# Altium PCB RFSOC_SAWG.PcbDoc (part 11 of 15) (continued)
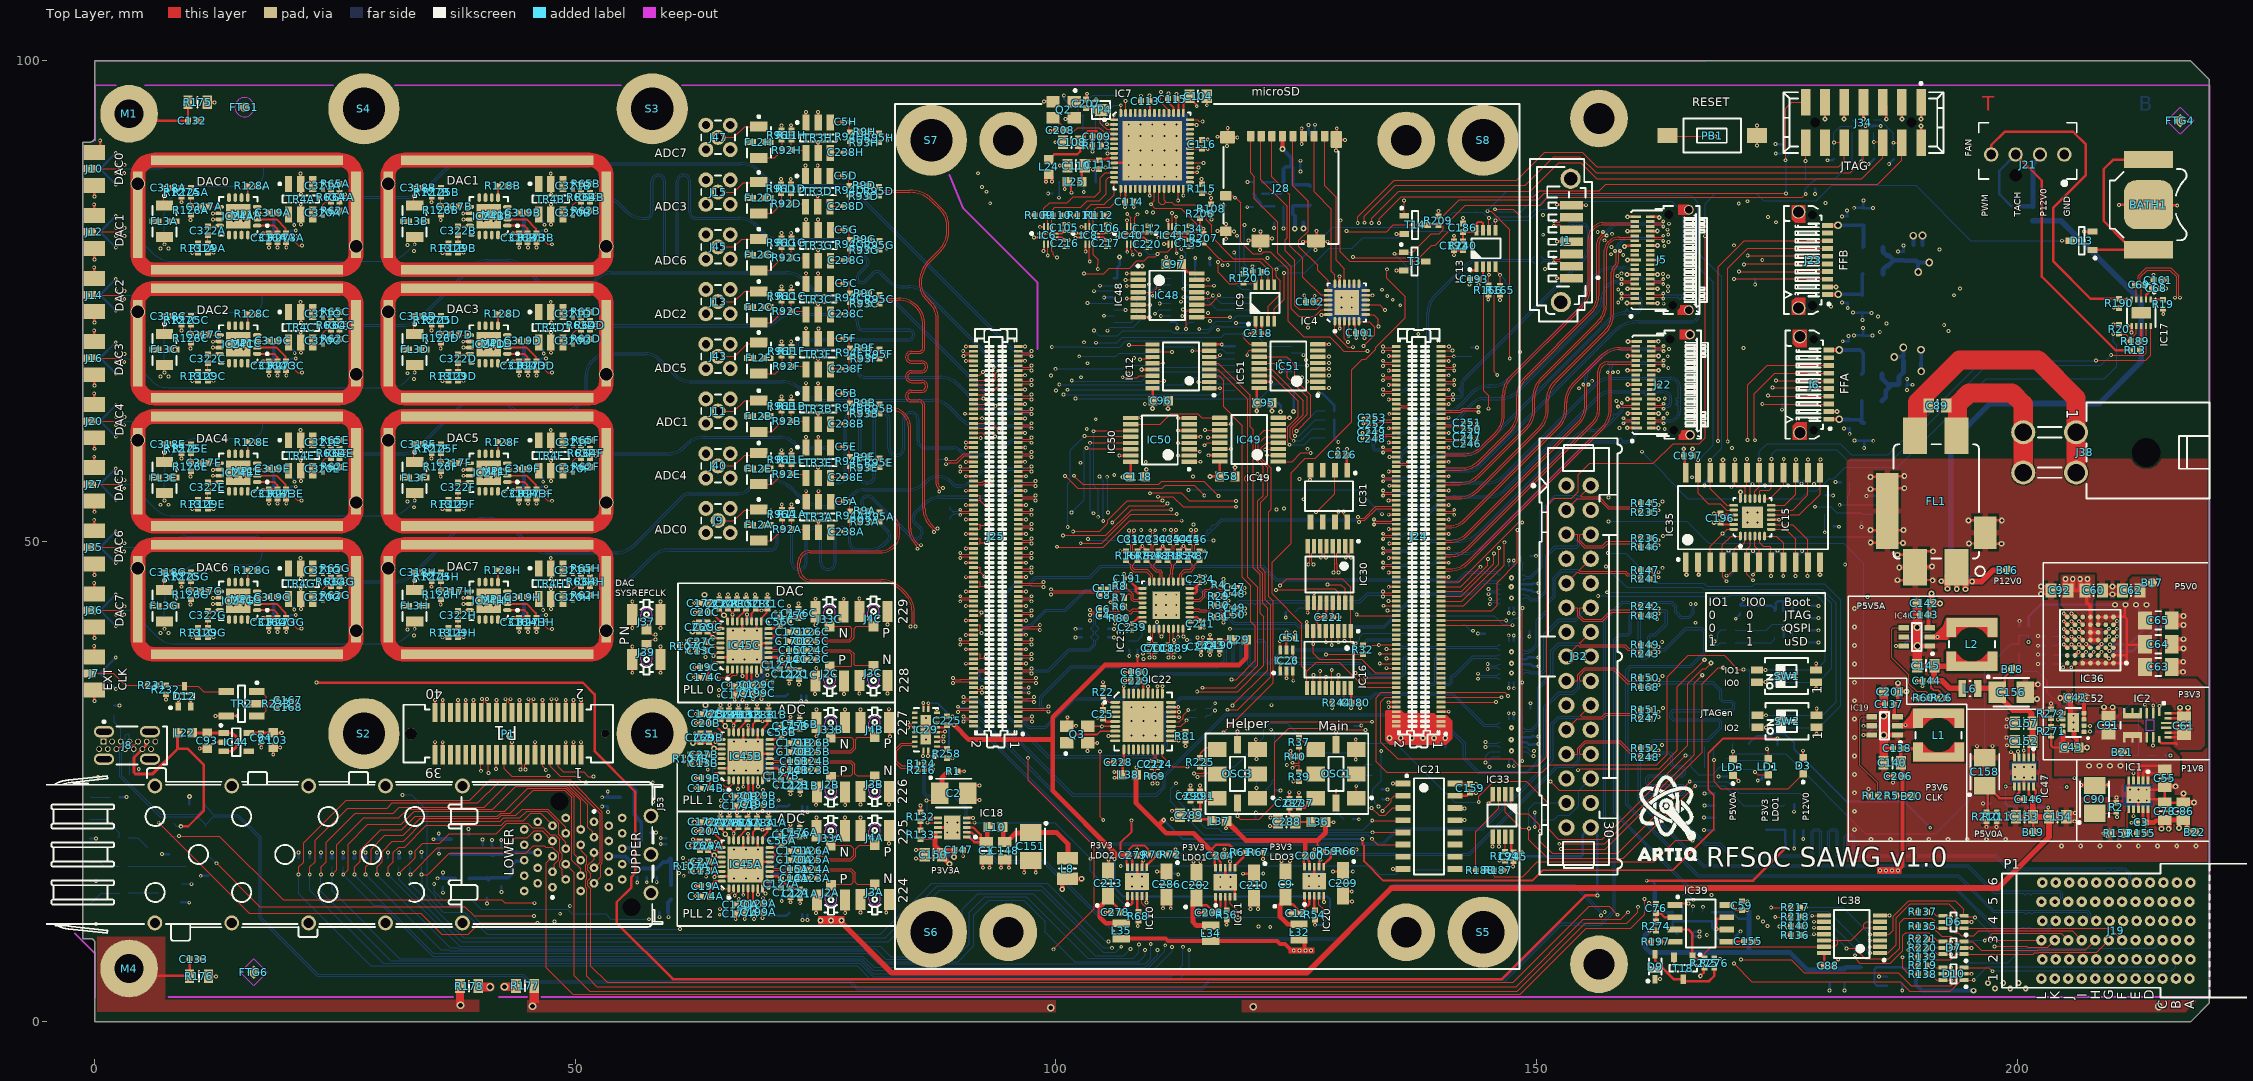
[diagram p0: Top Layer view]
## Nets (pads, with @x,y where several pads share a name; then routed paths per layer and width w, separated by ;. In a path a pad name is that pad's centre, name@x,y a point inside that pad or via, vN(x,y) a via of type N, cw(c..) or ccw(c..) an arc to the next point about the centre after c; other vN are vias at no path point) (continued)
  Mid-Layer 6 w0.127: v1(193.4,7.7) 193.875,7.225 197.059,7.225 v1(197.675,7.84)
NetD7_6: D7.6 J19.J3 R220.2 | length 16.2
  Top Layer w0.127: R220.2@190.645,7.712 191.051,7.712 191.709,7.055 192.295,7.055 192.325,7.025 v1(193.125,7.025) ; v1(196.645,8.479) 196.941,8.775 196.95,8.775 197.416,9.241 204.598,9.241 J19.J3@205.338,8.5
  Bottom Layer w0.127: v1(193.125,7.025) 193.15,7.025 193.699,7.025 195.154,8.479 v1(196.645,8.479)
NetD9_1: D9.1 R219.1 | length 29.1
  Top Layer w0.127: D9.1@162.35,4.45 v1(162.85,4.45) ; v1(188.836,6.783) 188.865,6.754 188.865,6.259 189.238,5.887 R219.1@189.705,5.887
  Mid-Layer 3 w0.127: v1(162.85,4.45) 162.911,4.45 163.061,4.3 169.775,4.3 170.589,5.114 187.168,5.114 v1(188.836,6.783)
NetD10_4: D10.4 J19.H2 R219.2 | length 18.2
  Top Layer w0.127: R219.2@190.645,5.887 191.33,5.887 191.567,5.65 D10.4@192.3,5.65 v1(193.125,5.65)
  Mid-Layer 3 w0.127: v1(193.125,5.65) 193.15,5.675 197.766,5.675 197.935,5.506 207.244,5.506 J19.H2@208.238,6.5
NetD10_6: D10.6 J19.K2 R138.2 | length 15.2
  Top Layer w0.127: R138.2@190.645,4.975 190.646,4.974 191.051,4.974 191.675,4.35 D10.6@192.3,4.35 192.325,4.325 v1(193.175,4.325)
  Bottom Layer w0.127: v1(193.175,4.325) 195.025,6.175 199.05,6.175 200.175,7.3 203.238,7.3 J19.K2@204.038,6.5
NetFL2A_3: FL2A.3 R92A.1 R96A.1 | length 4.3
  Top Layer w0.1: FL2A.3@68.9,50.075 70.377,50.075 71.32,51.018 71.34,51.018 71.567,51.244 R92A.1@71.567,51.264 71.567,52.28 R96A.1@71.491,52.356
NetFL2B_3: FL2B.3 R92B.1 R96B.1 | length 4.2
  Top Layer w0.1: FL2B.3@68.9,61.4 70.459,61.4 71.541,62.482 R92B.1@71.541,62.502 71.541,63.518 R96B.1@71.465,63.594
NetFL2C_3: FL2C.3 R92C.1 R96C.1 | length 4.3
  Top Layer w0.1: FL2C.3@68.825,72.75 70.379,72.75 71.541,73.912 R92C.1@71.541,73.932 71.541,74.948 R96C.1@71.465,75.024
NetFL2D_3: FL2D.3 R92D.1 R96D.1 | length 4
  Top Layer w0.1: FL2D.3@69.004,84.114 70.489,84.114 71.492,85.118 R92D.1@71.492,85.138 71.492,86.154 R96D.1@71.416,86.23
NetFL2E_3: FL2E.3 R92E.1 R96E.1 | length 4.1
  Top Layer w0.1: FL2E.3@68.898,55.95 70.5,55.95 71.53,56.98 R92E.1@71.53,57 71.53,57.941 R96E.1@71.465,58.006
NetFL2F_3: FL2F.3 R92F.1 R96F.1 | length 3.8
  Top Layer w0.1: FL2F.3@69.168,67.451 70.795,67.451 71.541,68.197 R92F.1@71.541,68.217 71.541,69.233 R96F.1@71.465,69.309
NetFL2G_3: FL2G.3 R92G.1 R96G.1 | length 4.1
  Top Layer w0.1: FL2G.3@69.15,78.2 70.241,78.2 71.541,79.5 R92G.1@71.541,79.52 71.541,80.536 R96G.1@71.465,80.612
NetFL2H_3: FL2H.3 R92H.1 R96H.1 | length 3.9
  Top Layer w0.1: FL2H.3@69.089,89.907 70.742,89.907 71.53,90.695 R92H.1@71.53,90.715 71.53,91.731 R96H.1@71.454,91.807
NetIC1_6: IC1.6 R153.2 R155.1 | length 3.8
  Top Layer w0.127: R153.2@211.275,19.625 R153.2@211.3,19.65 ; IC1.6@211.625,22.125 211.625,21.875 211.538,21.788 211.524,21.788 211.45,21.714 211.45,19.8 R153.2@211.3,19.65 ; R155.1@212.455,19.65 R153.2@211.3,19.65
NetIC2_3: IC2.3 R268.1 R269.2 | length 7.5
  Top Layer w0.127: v1@213.298,33.023 213.52,32.8 IC2.3@213.52,32.1
  Bottom Layer w0.127: R268.1@211.767,27.721 R269.2@212.647,27.721 212.647,32.372 v1(213.3,33.025)
NetIC5_5: IC5.5 IC53.3 R230.2 | length 4.5
  Bottom Layer w0.127: R230.2@170.67,39.425 170.718,39.473 IC5.5@172.901,39.473 174.409,39.473 174.776,39.841 IC53.3@174.776,40.066
NetIC5_6: IC5.6 IC53.1 R174.2 | length 7.4
  Bottom Layer w0.127: R174.2@170.671,40.778 170.706,40.743 IC5.6@172.901,40.743 173.918,40.743 174.553,41.378 176.272,41.378 176.676,40.974 IC53.1@176.676,40.066
NetIC6_2: IC6.2 IC8.2 R108.1 T3.3 | length 47.9
  Top Layer w0.127: R108.1@116.15,84.13 116.175,84.105 v1(116.175,83.475) ; v1(129.6,83.4) 129.6,80.108 130.588,79.12 T3.3@138.475,79.12
  Top Layer w0.2: v1(97.713,81.6) 97.738,81.625 IC6.2@98.475,81.625 ; v1(102.05,81.575) 102.104,81.575 102.154,81.625 IC8.2@102.783,81.625
  Mid-Layer 3 w0.127: v1(97.713,81.6) 97.787,81.6 97.928,81.74 101.487,81.74 101.652,81.575 v1(102.05,81.575) 105.298,81.575 105.548,81.825 106.037,81.825 106.212,82 107.3,82 108.625,83.325 110.275,83.325 110.615,82.985 111.762,82.985 112.018,83.24 115.94,83.24 v1(116.175,83.475) 116.212,83.437 129.563,83.437 v1(129.6,83.4)
NetIC7_1: IC7.1 IC37.1 R204.1 | length 11.8
  Top Layer w0.127: v1(106.025,94.375) 106.025,93.9 IC7.1@106.055,93.87
  Bottom Layer w0.127: R204.1@100.35,94.305 100.32,94.275 IC37.1@100.32,92.775 100.32,91.68 100.95,91.05 104.9,91.05 106.025,92.175 v1(106.025,94.375)
NetIC7_6: IC7.6 R113.2 | length 1.4
  Top Layer w0.127: R113.2@104.73,91.17 104.93,91.37 IC7.6@106.055,91.37
NetIC7_22: IC7.22 IC9.6 R207.1 | length 19
  Top Layer w0.127: v1@109.9,85.075 110.255,85.43 IC7.22@110.255,86.67 ; v1(109.902,85.073) 110.3,84.675 112.975,84.675 114.7,82.95 114.7,81.72 115.128,81.291 115.128,81.271 115.355,81.045 115.395,81.045 115.621,80.818 115.621,80.798 116.97,79.45 117.039,79.45 117.341,79.147 121.192,79.147 122.075,78.264 IC9.6@122.075,76.7
NetIC7_23: IC7.23 IC7.24 IC9.5 R206.1 | length 20.6
  Top Layer w0.127: IC7.23@110.755,86.67 110.728,86.643 110.728,85.275 110.928,85.075 111.239,85.075 111.426,85.262 111.5,85.262 ; IC7.24@111.255,86.67 111.255,85.507 111.463,85.299 111.5,85.262 ; IC9.5@122.725,76.7 122.725,77.05 122.55,77.225 122.55,78.384 121.53,79.404 119.729,79.404 118.469,79.404 117.875,79.998 117.875,80 116.208,81.667 116.208,82.889 115.649,83.448 115.649,83.97 115.276,84.343 115.127,84.343 114.927,84.543 114.927,84.623 114.754,84.796 114.55,85 112.324,85 112.062,85.262 111.5,85.262
NetIC7_28: IC7.28 IC9.8 R120.2 | length 18.3
  Top Layer w0.127: v1@113.255,85.868 IC7.28@113.255,86.67 ; v1(116.877,79.06) 116.877,77.998 118.056,76.819 118.731,76.819 118.816,76.905 R120.2@119.525,76.905 120.639,76.905 120.775,76.769 IC9.8@120.775,76.7
  Mid-Layer 6 w0.127: v1(113.257,85.968) 112.67,85.968 112.568,85.866 112.563,85.866 112.334,85.637 112.334,85.632 111.21,84.507 111.21,83.118 113.5,80.827 113.5,79.916 114.357,79.06 v1(116.877,79.06)
NetIC7_32: IC7.32 IC40.9 | length 12.4
  Top Layer w0.127: v1(107.425,84.05) 107.792,83.683 IC40.9@107.792,82.725 ; IC7.32@113.955,88.87 113.975,88.89 114.809,88.89 v1(114.83,88.911)
  Mid-Layer 6 w0.127: v1(107.425,84.05) 107.425,84.473 107.65,84.698 107.65,85.35 109.175,86.875 112.45,86.875 114.486,88.911 v1(114.83,88.911)
NetIC7_33: IC7.33 IC40.8 | length 14.1
  Top Layer w0.127: IC40.8@108.192,82.725 108.192,83.717 v1(108.5,84.025) ; IC7.33@113.955,89.37 113.957,89.373 115.348,89.373 v1(115.35,89.375)
  Mid-Layer 6 w0.127: v1(108.5,84.025) 108.5,85.4 109.7,86.6 114.741,86.6 115.452,87.311 115.554,87.413 115.554,89.137 115.35,89.341 v1(115.35,89.375)
NetIC7_42: IC7.42 IC41.9 | length 15.3
  Top Layer w0.127: v1(112.087,84.16) 112.094,84.153 112.094,82.731 IC41.9@112.1,82.725 ; IC7.42@113.955,93.87 114.739,93.87 114.884,93.725 115.25,93.725 v1(115.275,93.7)
  Mid-Layer 6 w0.127: v1(112.087,84.16) 112.753,84.825 114.092,84.825 116.25,86.983 116.25,92.725 v1(115.275,93.7)
NetIC7_46: IC7.46 IC41.8 | length 28.5
  Top Layer w0.127: v1(110.925,96.75) 110.925,95.675 111.755,94.845 IC7.46@111.755,94.57 ; IC41.8@112.5,82.725 v1(112.5,83.769)
  Mid-Layer 3 w0.127: v1(110.925,96.75) 110.925,96.075 109.45,94.6 107.1,94.6 104.589,92.089 104.589,87.536 106.275,85.85 106.275,83.325 106.711,82.889 107.441,82.889 108.187,83.635 108.662,83.635 108.822,83.795 111.896,83.795 111.922,83.769 v1(112.5,83.769)
NetIC7_55: IC7.55 IC37.3 R205.2 | length 10.1
  Top Layer w0.127: v1(107.25,95.8) 107.253,95.797 107.253,94.573 IC7.55@107.255,94.57
  Bottom Layer w0.127: IC37.3@102.86,92.775 102.86,94.27 R205.2@102.925,94.335 102.465,94.335 102.325,94.475 102.325,95.65 102.675,96 103.425,96 103.825,96.4 106.65,96.4 v1(107.25,95.8)
NetIC7_56: IC7.56 IC37.2 R203.1 | length 11.8
  Top Layer w0.127: IC7.56@106.755,94.57 v1(106.755,95.372)
  Bottom Layer w0.127: R203.1@101.6,94.355 101.59,94.345 IC37.2@101.59,92.775 101.59,91.599 101.664,91.525 104.63,91.525 104.91,91.805 104.91,94.26 106.022,95.372 v1(106.755,95.372)
NetIC9_7: IC9.7 R116.2 | length 1.4
  Top Layer w0.127: R116.2@121.42,78.05 121.425,78.045 IC9.7@121.425,76.7
NetIC10_3: IC10.3 R68.2 | length 1.7
  Top Layer w0.254: IC10.3@108.45,13.1 108.45,11.595 R68.2@108.575,11.47
NetIC10_6: IC10.6 R70.1 R72.1 | length 2.8
  Top Layer w0.254: IC10.6@109.45,16.1 109.45,16.35 109.473,16.373 109.538,16.373 109.96,16.795 110.545,17.38 R70.1@110.545,17.4 R72.1@111.505,17.4
NetIC11_3: IC11.3 R56.2 | length 1.5
  Top Layer w0.254: IC11.3@117.625,13.025 117.648,13.002 117.648,11.722 R56.2@117.775,11.595
NetIC11_6: IC11.6 R61.1 R67.1 | length 3
  Top Layer w0.255: IC11.6@118.625,16.025 118.625,16.275 119.558,17.208 119.558,17.488 R61.1@119.72,17.65 R67.1@120.63,17.65
NetIC12_9: IC12.9 IC43.14 | length 24.8
  Top Layer w0.127: v1(107.6,70.425) 110,70.425 IC12.9@110.05,70.475
  Mid-Layer 3 w0.127: v1(107.57,67.47) 107.605,67.435 114.516,67.435 114.922,67.028 v1(125.606,67.028)
  Mid-Layer 6 w0.127: v1(107.57,67.47) 107.585,67.485 107.585,70.41 v1(107.6,70.425)
  Bottom Layer w0.127: IC43.14@124.5,67.025 124.503,67.028 v1(125.606,67.028)
NetIC16_15: IC16.15 R244.2 | length 1.7
  Top Layer w0.093: R244.2@129.7,33.2 129.7,33.22 130.025,33.545 IC16.15@130.025,34.75
NetIC17_8: IC17.8 R13.1 R189.1 | length 2.6
  Top Layer w0.254: R13.1@212.77,69.875 R189.1@212.77,70.825 212.925,70.98 IC17.8@212.925,72.4
NetIC18_6: IC18.6 R132.2 R133.1 | length 2.9
  Top Layer w0.2: R133.1@85.925,19.945 R132.2@85.925,20.88 85.945,20.88 86.135,21.07 86.135,21.09 86.27,21.225 IC18.6@87.725,21.225
NetIC19_4: IC19.4 R5.1 R12.2 | length 11
  Top Layer w0.127: IC19.4@184.865,31.76 183.91,31.76 183.65,31.5 183.65,26.72 185.495,24.875 R12.2@185.495,23.55 R5.1@186.48,23.55
NetIC20_3: IC20.3 R54.2 | length 1.6
  Top Layer w0.254: IC20.3@126.875,13.125 126.898,13.102 126.898,11.647 R54.2@126.95,11.595
NetIC20_6: IC20.6 R59.1 R66.2 | length 3
  Top Layer w0.254: IC20.6@127.875,16.125 127.875,16.375 128.607,17.107 128.607,17.587 R59.1@128.77,17.75 R66.2@129.755,17.75
NetIC22_1: IC22.1 R22.2 | length 1.5
  Top Layer w0.127: R22.2@104.929,33.814 104.949,33.814 105.175,33.588 105.175,33.568 105.493,33.25 IC22.1@106.175,33.25
NetIC22_6: IC22.6 Q3.3 TP28.1 | length 4.3
  Top Layer w0.16: Q3.3@103.322,30.76 103.332,30.75 IC22.6@106.175,30.75
  Bottom Layer w0.16: TP28.1@103.332,30.75 104.275,30.75 104.281,30.744 v1(104.779,30.744)
NetIC22_7: IC22.7 Q3.1 | length 5.5
  Top Layer w0.16: Q3.1@101.122,29.06 101.222,29.06 102.062,29.9 104.293,29.9 104.643,30.25 IC22.7@106.175,30.25
NetIC22_18: IC22.18 T2.1 | length 81.6
  Top Layer w0.127: IC22.18@111.075,28.35 111.075,27.625 112.15,26.55 v1(113.7,26.55) ; v1(143.993,22.873) 143.993,23.462 145.556,25.025 148.95,25.025 151.225,22.75 151.225,20.075 152.275,19.025 156.825,19.025 v1(165.525,27.725)
  Bottom Layer w0.127: v1(113.7,26.55) 118.602,26.55 121.65,29.598 121.65,30.45 122.25,31.05 124.05,31.05 127.091,28.009 130.909,28.009 131.901,29 135.375,29 141.502,22.873 v1(143.993,22.873) ; v1(165.525,27.725) 165.925,27.725 166.1,27.55 166.1,26.5 166.9,25.7 168.325,25.7 169.15,26.525 170.125,26.525 170.84,27.24 T2.1@173.963,27.24
NetIC22_21: IC22.21 R81.2 | length 1.5
  Top Layer w0.127: IC22.21@111.975,30.25 113.437,30.25 R81.2@113.486,30.202
NetIC22_22: IC22.22 R86.2 | length 3
  Top Layer w0.093: IC22.22@111.975,30.75 113,30.75 113.601,31.351 v1(113.601,31.376)
  Bottom Layer w0.093: v1(113.601,31.376) 113.9,31.675 R86.2@114.594,31.675
NetIC22_23: IC22.23 R84.2 | length 3.4
  Top Layer w0.093: IC22.23@111.975,31.25 112.875,31.25 112.951,31.327 112.955,31.327 113.225,31.597 113.225,31.9 v1(113.775,32.45)
  Bottom Layer w0.093: v1(113.775,32.45) 114.397,32.45 R84.2@114.594,32.648
NetIC23_8: IC23.8 R27.2 | length 1.5
  Top Layer w0.127: IC23.8@113.225,40.9 113.245,40.88 113.245,40.129 v1(113.265,40.11)
  Bottom Layer w0.127: v1(113.265,40.11) 113.265,40.631 R27.2@113.39,40.757
NetIC24A_5: IC24A.5 R128A.2 | length 1.2
  Top Layer w0.2: IC24A.5@15.914,85.768 15.917,85.771 15.917,86.99 R128A.2@15.92,86.993
NetIC24B_5: IC24B.5 R128B.2 | length 1.2
  Top Layer w0.2: IC24B.5@41.949,85.768 41.952,85.771 41.952,86.99 R128B.2@41.955,86.993
NetIC24C_5: IC24C.5 R128C.2 | length 1.2
  Top Layer w0.2: IC24C.5@15.914,72.433 15.917,72.436 15.917,73.655 R128C.2@15.92,73.658
NetIC24D_5: IC24D.5 R128D.2 | length 1.2
  Top Layer w0.2: IC24D.5@41.949,72.433 41.952,72.436 41.952,73.655 R128D.2@41.955,73.658
NetIC24E_5: IC24E.5 R128E.2 | length 1.2
  Top Layer w0.2: IC24E.5@15.914,59.098 15.917,59.101 15.917,60.32 R128E.2@15.92,60.323
NetIC24F_5: IC24F.5 R128F.2 | length 1.2
  Top Layer w0.2: IC24F.5@41.949,59.098 41.952,59.101 41.952,60.32 R128F.2@41.955,60.323
NetIC24G_5: IC24G.5 R128G.2 | length 1.2
  Top Layer w0.2: IC24G.5@15.914,45.763 15.917,45.766 15.917,46.985 R128G.2@15.92,46.988
NetIC24H_5: IC24H.5 R128H.2 | length 1.2
  Top Layer w0.2: IC24H.5@41.949,45.763 41.952,45.766 41.952,46.985 R128H.2@41.955,46.988
NetIC27_2: IC27.2 R255.1 | length 1.5
  Bottom Layer w0.127: R255.1@148.43,48.5 148.43,47.87 148.55,47.75 148.55,47.036 IC27.2@148.528,47.014
NetIC28_2: IC28.2 R256.1 | length 1.6
  Bottom Layer w0.127: R256.1@148.33,40.7 148.33,40.095 148.5,39.925 148.5,39.244 IC28.2@148.528,39.216
NetIC29_2: IC29.2 R258.1 | length 1.1
  Top Layer w0.127: IC29.2@87.625,28.65 87.656,28.619 88.44,28.619 R258.1@88.667,28.393
NetIC32_9: IC32.9 IC34.14 | length 11.5
  Mid-Layer 3 w0.127: v1(109.677,76.75) 109.967,76.46 110.942,76.46 111.127,76.275 v1(113.25,76.275)
  Bottom Layer w0.127: IC32.9@106.025,72.802 107.827,72.802 108.425,73.4 108.425,75.498 v1(109.677,76.75) ; v1(113.25,76.275) 113.475,76.05 114.398,76.05 IC34.14@114.4,76.052
NetIC32_14: IC32.14 IC43.9 | length 28.4
  Mid-Layer 6 w0.127: v1(103.975,71.925) v1(103.975,76.025)
  Bottom Layer w0.127: v1(103.975,71.925) 104.5,71.4 106.425,71.4 106.95,71.925 111.95,71.925 112.19,71.684 115.848,71.684 116.57,72.406 117.012,72.406 117.083,72.335 119.93,72.335 121.986,70.278 123.197,70.278 124.497,70.278 IC43.9@124.5,70.275 ; v1(103.975,76.025) 104.002,76.052 IC32.14@106.025,76.052
NetIC33_3: IC33.3 LD4.1 R188.1 | length 169.5
  Top Layer w0.127: v1(143.024,15.812) 143.061,15.775 R188.1@143.68,15.775 143.68,19.805 146.1,22.225 IC33.3@146.1,23.675
  Mid-Layer 6 w0.127: v1(0.332,25.479) 3.386,22.425 30.75,22.425 v1@32.05,23.725 ; v1(60.875,9.65) 61.575,8.95 81.925,8.95 85.85,12.875 103.4,12.875 104.45,13.925 v1(106.75,16.225)
  Bottom Layer w0.127: LD4.1@-0.5,25.5 0.311,25.5 v1(0.332,25.479) ; v1(32.014,23.623) 32.952,23.623 34.575,22 34.575,13.966 35.475,13.066 35.475,12.775 36.225,12.025 38.425,12.025 40.8,9.65 v1(60.875,9.65) ; v1(106.75,16.225) 132.775,16.225 133.65,15.35 135.375,15.35 135.837,15.812 v1(143.024,15.812)
NetIC33_7: IC33.7 R194.2 | length 1.6
  Top Layer w0.127: R194.2@146.725,17.695 146.75,17.72 IC33.7@146.75,19.275
NetIC34_9: IC34.9 IC48.10 | length 4.3
  Top Layer w0.127: v1(113.55,72.075) 113.55,73.898 113.616,73.963 113.616,73.975 IC48.10@114.65,73.975
  Bottom Layer w0.127: v1(113.55,72.075) 113.565,72.09 113.565,72.465 113.714,72.614 113.714,72.64 113.875,72.802 IC34.9@114.4,72.802
NetIC36_C2: IC36.C2 NT1.1 R182.1 | length 9.4
  Top Layer w0.254: IC36.C2@209.237,38.929 209.587,38.579 v1(209.612,38.579)
  Bottom Layer w0.254: v1(209.612,38.579) 212.054,38.579 214.6,41.125 216.2,41.125 216.18,41.144 216.18,42.13 216.275,42.225 R182.1@216.371,42.129
NetIC36_D1: IC36.D1 IC36.F1 | length 3
  Top Layer w0.254: IC36.D1@210.037,39.729 210.387,40.079 v1(210.387,40.104) ; IC36.F1@210.037,41.329 210.387,41.679 v1(210.387,41.704)
  Bottom Layer w0.127: v1(210.387,40.104) 210.777,40.494 210.777,41.313 v1(210.387,41.704)
NetIC36_D2: IC36.D2 R181.2 | length 7.8
  Top Layer w0.254: IC36.D2@209.237,39.729 209.587,40.079 v1(209.587,40.104)
  Bottom Layer w0.127: R181.2@203.77,38.2 205.911,38.2 206.086,38.025 207.26,38.025 207.587,38.351 207.587,38.656 207.844,38.913 208.948,38.913 209.196,39.161 209.196,39.713 v1(209.587,40.104)
NetIC36_E1: IC36.E1 R183.2 | length 7.9
  Top Layer w0.254: IC36.E1@210.037,40.529 210.387,40.879 v1(210.387,40.904)
  Bottom Layer w0.127: R183.2@203.77,39.15 203.796,39.176 204.207,39.176 204.719,39.688 206.623,39.688 206.679,39.744 208.069,39.744 208.838,40.513 209.996,40.513 v1(210.387,40.904)
NetIC37_4: IC37.4 R119.1 R205.1 | length 3.3
  Bottom Layer w0.127: R205.1@102.925,95.275 103.041,95.159 103.351,95.159 103.873,94.637 103.948,94.637 R119.1@104.175,94.41 104.13,94.365 IC37.4@104.13,92.775
NetIC39_4: IC39.4 R197.1 | length 1.5
  Top Layer w0.254: R197.1@162.87,8.35 162.873,8.348 164.397,8.348 IC39.4@164.4,8.345
NetIC42_2: IC42.2 R143.1 | length 1.6
  Bottom Layer w0.127: R143.1@148.46,32.6 148.46,31.94 148.575,31.825 148.575,31.157 IC42.2@148.528,31.109
NetIC45A_22: IC45A.22 R15A.1 | length 1.7
  Top Layer w0.2: IC45A.22@66.975,18.894 66.975,19.196 67.098,19.319 67.098,19.325 67.69,19.917 67.69,20.049 67.748,20.107 R15A.1@67.88,20.107
NetIC45A_26: IC45A.26 R214A.2 | length 1.6
  Top Layer w0.2: v1@64.554,17.878 64.682,17.878 64.794,17.767 64.8,17.767 64.923,17.644 IC45A.26@65.225,17.644
  Bottom Layer w0.2: v1@64.554,17.878 64.58,17.905 65.305,17.905 R214A.2@65.331,17.931
  other v1: 64.479,17.978
NetIC45B_22: IC45B.22 R15B.1 | length 1.7
  Top Layer w0.2: IC45B.22@66.975,30.135 66.975,30.437 67.098,30.56 67.098,30.566 67.69,31.158 67.69,31.29 67.748,31.348 R15B.1@67.88,31.348
NetIC45B_26: IC45B.26 R214B.2 | length 1.6
  Top Layer w0.2: v1(64.554,29.119) 64.592,29.081 64.727,29.081 64.923,28.885 IC45B.26@65.225,28.885
  Bottom Layer w0.2: v1(64.554,29.119) 64.58,29.146 65.305,29.146 R214B.2@65.331,29.172
NetIC45C_22: IC45C.22 R15C.1 | length 1.7
  Top Layer w0.2: IC45C.22@66.847,41.668 66.847,41.97 66.97,42.093 66.97,42.099 67.562,42.691 67.562,42.823 67.619,42.881 R15C.1@67.752,42.881
NetIC45C_26: IC45C.26 R214C.2 | length 1.5
  Top Layer w0.2: v1(64.425,40.652) 64.464,40.614 64.598,40.614 64.795,40.418 IC45C.26@65.097,40.418
  Bottom Layer w0.2: v1(64.425,40.652) 64.464,40.691 65.004,40.691 R214C.2@65.136,40.822
NetIC46_4: IC46.4 R26.1 R60.2 | length 11.5
  Top Layer w0.127: IC46.4@188.218,41 187.15,41 186.985,40.835 186.985,37.865 188.754,36.096 188.754,35.196 189.547,34.403 190.498,34.403 190.745,34.156 R60.2@190.745,33.7 R26.1@191.675,33.7
NetIC47_6: IC47.6 R212.2 R213.1 | length 4
  Top Layer w0.127: v1(198.825,24.486) 199.711,24.486 IC47.6@199.725,24.5
  Bottom Layer w0.127: R212.2@198.8,22.736 198.825,22.761 v1(198.825,24.486)
  Bottom Layer w0.254: R212.2@198.8,22.736 199.112,22.424 199.817,22.424 R213.1@199.955,22.286
NetIC48_9: IC48.9 IC49.10 | length 15.8
  Top Layer w0.127: IC48.9@114.65,73.325 118.109,73.325 v1(118.119,73.315) ; IC49.10@117.05,62.2 v1(118.227,62.2)
  Mid-Layer 6 w0.127: v1(118.119,73.315) 118.119,73.242 118.227,73.133 v1(118.227,62.2)
NetIC49_9: IC49.9 IC50.10 | length 9.9
  Top Layer w0.127: IC50.10@107.775,62.177 110.877,62.177 111.975,63.275 114.75,63.275 115.175,62.85 IC49.9@117.05,62.85
NetIC50_9: IC50.9 IC51.10 | length 21.4
  Top Layer w0.127: IC50.9@107.775,62.827 107.799,62.851 108.851,62.851 v1(108.875,62.875) ; v1(119.912,69.366) 119.964,69.418 119.964,69.696 120.13,69.863 121.138,69.863 IC51.10@121.15,69.85
  Mid-Layer 3 w0.127: v1(108.15,69.075) 108.381,69.306 114.037,69.306 114.368,68.975 118.584,68.975 118.975,69.366 v1(119.912,69.366)
  Mid-Layer 6 w0.127: v1(108.15,69.075) 108.15,64.1 108.875,63.375 v1(108.875,62.875)
NetIC52_7: IC52.7 R271.1 R272.2 | length 2.2
  Top Layer w0.127: R272.2@203.55,31.605 R271.1@203.55,30.72 203.655,30.825 IC52.7@204.775,30.825
NetJ7_1: J7.1 R231.1 | length 6.4
  Top Layer w0.1: J7.1@-0.5,36.25 1.925,36.25 3.15,35.025 R231.1@5.4,35.025
NetJ8_A5: J8.A5 R99.1 | length 3.1
  Bottom Layer w0.127: R99.1@2.025,31.98 2.025,31.15 2.7,30.475 J8.A5@2.7,29.16
NetJ8_B5: J8.B5 R100.1 | length 2.8
  Bottom Layer w0.127: R100.1@3.63,25.725 3.65,25.745 3.65,26.95 4.05,27.35 J8.B5@4.05,28.38
NetJ34_14: J34.14 R266.2 | length 3.8
  Top Layer w0.127: v1(178,89.575) 178,91.425 J34.14@178.025,91.45
  Bottom Layer w0.127: R266.2@177.991,87.64 178,87.648 178,88.85 v1(178,89.575)
NetLD1_1: LD1.1 T2.3 | length 2.9
  Top Layer w0.127: v1(172.729,26.012) 173.016,25.725 LD1.1@174.125,25.725
  Bottom Layer w0.127: T2.3@171.498,26.3 172.441,26.3 v1(172.729,26.012)
NetLD1_2: LD1.2 R79.1 | length 1.6
  Top Layer w0.127: v1(174,28.379) 174,28.305 174.125,28.181 LD1.2@174.125,27.375
  Bottom Layer w0.127: v1(174,28.379) 174,28.695 R79.1@174.13,28.825
NetLD2_1: LD2.1 R286.2 | length 3.2
  Bottom Layer w0.127: LD2.1@-0.5,16.633 0.517,16.633 0.975,16.175 R286.2@2.555,16.175
NetLD3_2: LD3.2 R179.1 | length 1.7
  Top Layer w0.127: LD3.2@170.45,27.325 v1(170.45,28.125)
  Bottom Layer w0.127: v1(170.45,28.125) 170.45,28.9 R179.1@170.525,28.975
NetLD4_2: LD4.2 R186.1 | length 2.2
  Bottom Layer w0.08: LD4.2@-0.5,23.5 LD4.2@-0.375,23.375
  Bottom Layer w0.1: LD4.2@-0.375,23.375 R186.1@1.63,23.375
NetLD5_1: LD5.1 R215.2 | length 3.5
  Bottom Layer w0.127: LD5.1@-0.5,12.2 -0.5,12.25 -0.213,12.537 -0.163,12.537 0.675,13.375 R215.2@2.53,13.375
NetLD15_1: LD15.1 R289.2 | length 4.1
  Bottom Layer w0.127: LD15.1@-0.5,21.067 1.167,21.067 2.53,19.704 R289.2@2.53,19.175
NetOSC1_1: OSC1.1 R38.1 | length 3.4
  Top Layer w0.127: OSC1.1@131.25,23.269 v1(131.25,24.525)
  Bottom Layer w0.127: v1(131.25,24.525) 132.375,25.65 R38.1@132.93,25.65
NetOSC1_2: OSC1.2 R36.2 | length 5.1
  Top Layer w0.127: v1(129.85,25.6) 131.041,25.6 OSC1.2@131.25,25.809
  Bottom Layer w0.127: v1(129.85,25.6) 131.025,25.6 132.225,26.8 R36.2@132.93,26.8
NetOSC1_4: OSC1.4 R37.1 | length 2.3
  Top Layer w0.093: R37.1@125.3,29.57 125.32,29.57 125.563,29.327 125.563,29.307 125.777,29.093 126.107,29.093 126.85,28.349 OSC1.4@127.05,28.349
NetOSC3_1: OSC3.1 R98.1 | length 2.8
  Top Layer w0.127: v1(120.875,24.35) 120.875,23.379 OSC3.1@120.985,23.269
  Bottom Layer w0.127: v1(120.875,24.35) 120.875,24.925 121.25,25.3 R98.1@121.82,25.3
NetOSC3_2: OSC3.2 R97.2 | length 3.6
  Top Layer w0.127: v1(119.75,25.85) 120.944,25.85 OSC3.2@120.985,25.809
  Bottom Layer w0.127: v1(119.75,25.85) 119.75,25.924 119.902,26.076 119.902,26.16 119.992,26.25 R97.2@121.82,26.25
NetOSC3_4: OSC3.4 R225.1 | length 2.5
  Top Layer w0.16: R225.1@115,27.47 115,27.91 115.59,28.5 116.634,28.5 OSC3.4@116.785,28.349
NetQ1_1: Q1.1 R224.1 | length 1.3
  Bottom Layer w0.254: R224.1@121.47,87.375 121.471,87.376 122.746,87.376 Q1.1@122.747,87.378
NetR17A_2: R17A.2 R18A.1 | length 0.9
  Bottom Layer w0.254: R17A.2@69.846,17.251 69.886,17.29 69.886,18.085 R18A.1@69.925,18.124
NetR17B_2: R17B.2 R18B.1 | length 0.9
  Bottom Layer w0.254: R17B.2@69.846,28.491 69.886,28.531 69.886,29.325 R18B.1@69.925,29.365
NetR17C_2: R17C.2 R18C.1 | length 0.9
  Bottom Layer w0.254: R17C.2@69.718,40.025 69.757,40.064 69.757,40.859 R18C.1@69.797,40.898
NetR184_2: R184.2 T23.3 | length 2.2
  Bottom Layer w0.127: T23.3@167.513,26.485 167.513,28.633 R184.2@167.53,28.65
NetR215_1: R215.1 T5.3 | length 3.2
  Bottom Layer w0.127: R215.1@3.47,13.375 3.52,13.425 T5.3@6.675,13.425
NetR269_1: R269.1 R270.2 | length 0.9
  Bottom Layer w0.127: R269.1@213.587,27.721 R270.2@214.472,27.721
NetR277_1: R277.1 R282.2 | length 0.9
  Bottom Layer w0.254: R277.1@165.198,12.338 R277.1@165.198,12.338 165.199,11.396 R282.2@165.2,11.395
NetR286_1: R286.1 T11.3 | length 6
  Bottom Layer w0.127: R286.1@3.495,16.175 T11.3@9.525,16.175
NetR289_1: R289.1 T16.3 | length 2.4
  Bottom Layer w0.127: R289.1@3.47,19.175 3.492,19.153 4.472,19.153 T16.3@5.475,18.15
P1V8: B22.1 C3.2 C78.1 C86.1 C101.1 C193.2 C220.2 D13.2 IC1.9 IC1.10 IC4.5 IC13.2 IC40.6 Q1.5 R20.1 R73.1 R75.1 R155.2 R165.2 R166.2 R201.1 R202.2 R208.1 | length 220.9
  Top Layer w0.2: IC40.6@108.492,81.625 109.15,81.625 109.5,81.275 C220.2@109.5,81.25 v1(109.925,81.25) ; v1(143.975,76.675) C193.2@143.975,77.25 144.425,77.7 IC13.2@144.425,78.575 ; v1(144.987,75.156) 144.987,75.667 R166.2@145,75.68 ; R165.2@146.211,75.66 146.223,75.648 v1(146.223,75.098) ; C3.2@213.375,20.75 213.395,20.73 R155.2@213.395,19.65
  Top Layer w0.254: IC4.5@131.025,72.9 131.025,72.588 131.121,72.492 131.121,71.804 C101.1@131.225,71.7 131.237,71.687 131.237,71.162 v1(131.25,71.15) ; v1(206.979,82.22) 206.984,82.225 D13.2@207.875,82.225 ; v4(217.681,20.135) 217.747,20.069 217.954,20.069 218.273,19.75 B22.1@218.475,19.75
  Top Layer w0.3: v1(210.025,72.55) 210.028,72.547 210.622,72.547 R20.1@210.625,72.545 ; IC1.9@213.125,22.125 213.125,21 C3.2@213.375,20.75 213.625,21 IC1.10@213.625,22.125
  Top Layer w0.5: C3.2@213.375,20.75 214.25,20.75 214.425,20.925 C78.1@215.229,20.925 ; v4(215.025,20.1) 215.044,20.119 215.044,20.74 C78.1@215.229,20.925 ; v4@215.8,20.104 C78.1@215.8,20.725 ; v4@216.875,20.179 C86.1@216.875,20.8 ; C86.1@217.293,21.01 217.29,21.012 215.386,21.012 C78.1@215.383,21.015 215.319,21.015 C78.1@215.229,20.925 ; v4@217.7,20.154 C86.1@217.7,20.775
  Mid-Layer 4 w0.254: v1(102.05,40) 104.779,40 ; v1(109.925,81.25) 109.713,81.25 109.471,81.008 109.471,80.196 109.55,80.117 109.55,77.564 108.55,76.564 108.55,71.225 ; v1(117.118,84.928) 117.158,84.928 117.451,85.221 121.004,85.221 v1(123.675,82.55) 124.875,81.35 124.875,71.096 ; v1(123.917,42.066) 122.6,40.749 122.6,40.575 120.8,38.775 108.325,38.775 107.1,40 v1(106.05,40) 104.779,40 ; v1(210.025,72.55) 210.025,72.59 209.9,72.715 209.9,72.725 208.425,74.2 187.175,74.2 187.148,74.227 183.988,74.227 182.536,72.775 148.545,72.775 v1(146.223,75.098) 146.183,75.098 146.125,75.156 v1(144.987,75.156) 144.959,75.184 144.959,75.691 v1(143.975,76.675) 138.421,71.121 135.536,71.121 134.964,71.694 131.794,71.694 v1(131.25,71.15) 131.25,71.19 130.904,71.536 130.904,71.646 130.675,71.875 129.904,71.875 129.124,71.096 124.875,71.096 ; 104.779,40 104.779,49.254 107.85,52.325 107.85,64.75 109.45,66.35 109.45,70.125 108.55,71.025 108.55,71.225 ; 108.55,71.225 114.386,71.225 114.515,71.096 124.875,71.096
  Bottom Layer w0.2: v1(117.118,84.928) 117.132,84.941 117.686,84.941 R202.2@117.7,84.955 ; v1(123.675,82.55) 123.672,82.553 123.672,83.147 R201.1@123.67,83.15 123.684,83.164 123.684,84.854 Q1.5@123.697,84.868
  Bottom Layer w0.254: v1(102.05,40) R75.1@102.68,40 ; R73.1@105.42,40 v1(106.05,40) ; v1(123.917,42.066) 123.936,42.085 123.936,42.631 R208.1@123.955,42.65
  other v4: 215.781,20.085 216.856,20.16
P1V8_USB: C104.2 IC7.2 IC7.31 IC7.43 | length 21
  Top Layer w0.2: v1(105.3,93.4) 105.315,93.385 106.04,93.385 IC7.2@106.055,93.37 ; IC7.43@113.255,94.57 113.255,95.505 C104.2@113.9,96.15 ; C104.2@113.9,96.325 C104.2@113.9,96.15 ; IC7.31@113.955,88.37 113.97,88.385 114.685,88.385 v1(114.7,88.4) ; v1(114.655,95.27) 114.617,95.308 114.617,95.433 C104.2@113.9,96.15
  Mid-Layer 4 w0.2: v1(105.3,93.4) 105.8,93.9 113.285,93.9 ; v1(114.655,95.27) 113.285,93.9 ; v1(114.7,88.4) 113.285,89.815 113.285,93.9